# Allegro board reComputer Industrial J201_V1.2.brd (continued)
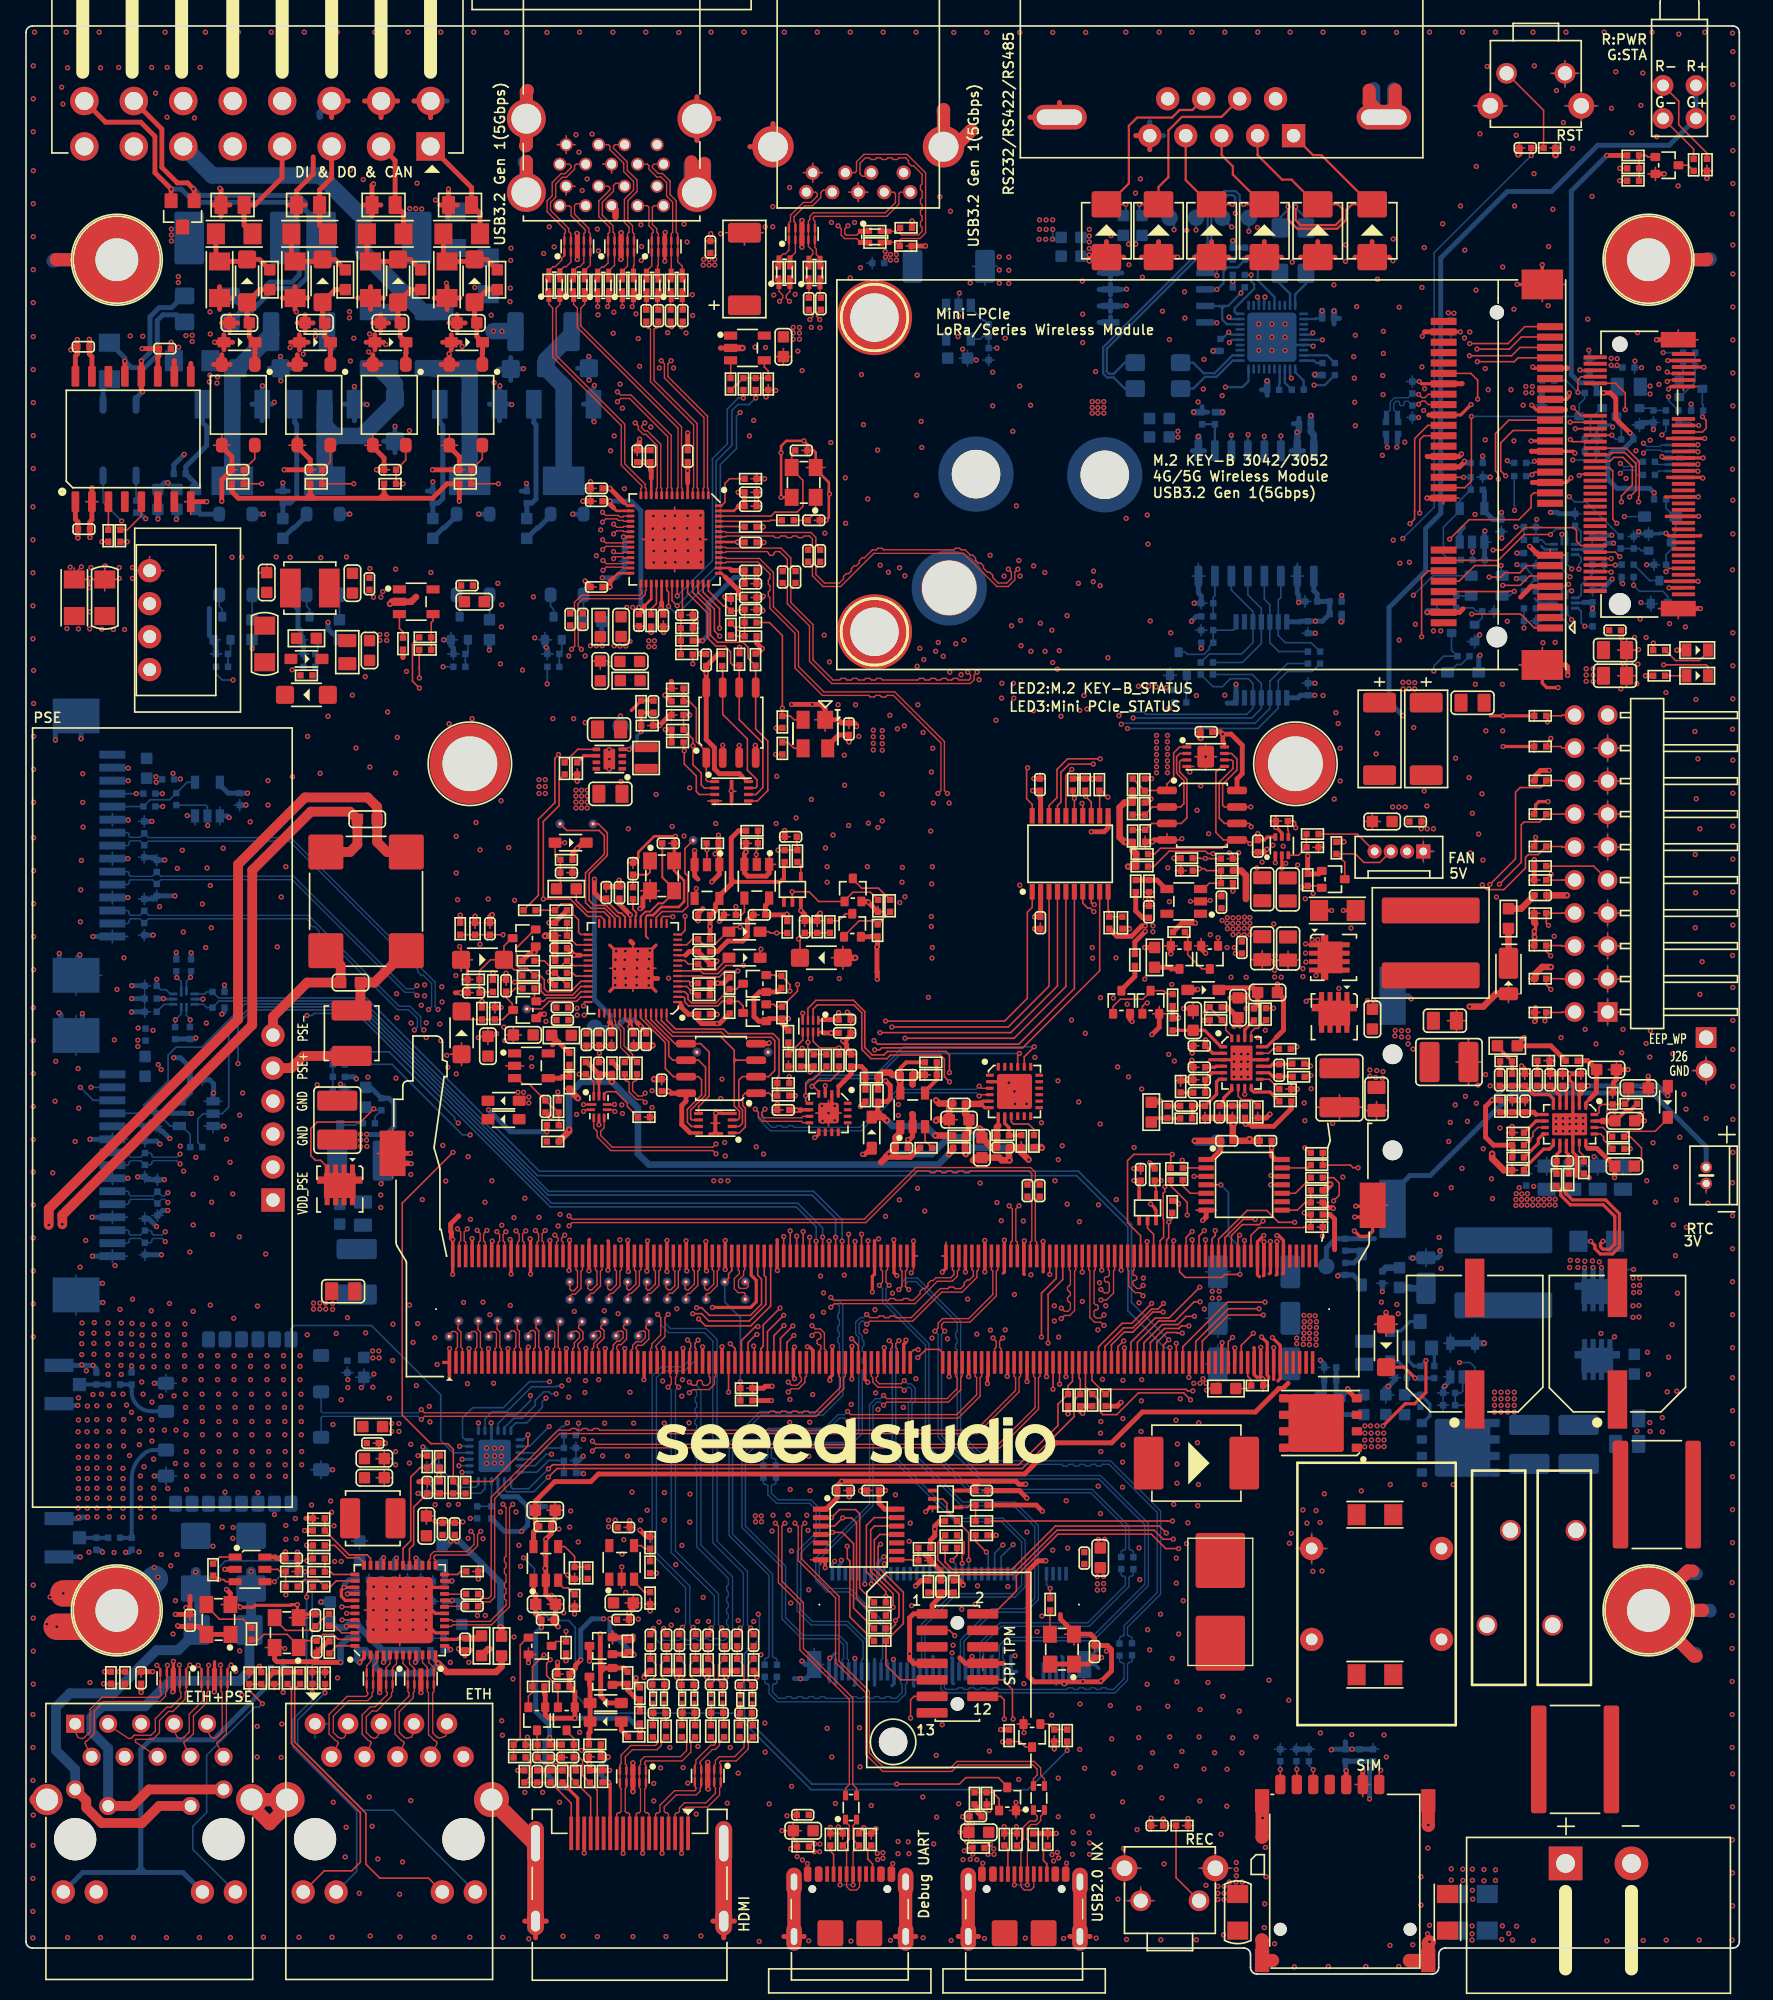
[diagram p0: board, top side]
## Nets (continued)
I2C2_M2M_SCL: J21.40 R220.2
I2C2_M2M_SDA: J21.42 R216.2
I2C2_SCL: J9.232 Q13.2(S) R99.2 R134.2 R220.1 U15.6 U16.6
I2C2_SDA: J9.234 Q15.2(S) R95.2 R143.2 R216.1 U15.5 U16.5
I2S1_LRCK: J6.28 J9.224
I2S1_SCLK: J6.20 J9.226
I2S1_SDIN: J6.24 J9.222
I2S1_SDOUT: J6.22 J9.220
IFP_TERM_EN: Q19.3 R244.1 R245.1 R246.1 R247.1 R248.1 R249.1 R250.1 R251.1
ILIM_DC1: R194.1 U31.10
ILIM_DC2: R176.1 U25.10
LAA_N79_TX_EN_1V8: J6.60 J9.97
LAN_XI: C181.1 R241.2 U38.47 X3.1
LAN_XO: R239.1 U38.46
LAN_XO_R: C169.1 R239.2 X3.3
LDO_5V_IN: C113.1 D39.2(C) D41.2(C) R189.1 U26.1
LED1_CTRL: Q1.1 R1.2 R4.2 R5.2
LED_WWAN: J5.42 LED3.2(C)
M2B_DPR_1V8: J6.25 Q24.3 R295.2
M2B_DPR_3V3: R288.1 U51.15
M2B_PCIE_HSD4_N: D66.2 J5.36 J6.9 L29.4 R302.1
M2B_PCIE_HSD4_P: D65.2 J5.38 J6.7 L29.1 R303.1
M2B_PCIE_RESET: R315.2 R316.1 R327.2 U51.11 U53.2
M2B_POWER_OFF#: J6.6 J9.212 R291.1
M2B_SSRX4_N: C43.1 J6.29 U43.5 U43.6(NC4)
M2B_SSRX4_P: C44.1 J6.31 U43.4 U43.7
M2B_SSTX4_N: C216.1 J6.35 U43.2 U43.9
M2B_SSTX4_P: C217.1 J6.37 U43.1 U43.10
M2B_STATUS_LED: J6.10 R59.2
M2B_SUSCLK_32KHZ: J6.68 R195.2 U33.4(Y)
M2B_USIM_CLK: J6.32 U46.2
M2B_USIM_DATA: J6.34 U46.6
M2B_USIM_PWR: J6.36 U45.2
M2B_USIM_RST: J6.30 U45.6
M2B_W_DISABLE1#: J9.128 R307.1
M2B_W_DISABLE2#: J9.126 R296.1
M2B_WOWWAN#_1V8: R298.2 U58.3
M2B_WOWWAN#_3V3: U51.14 U58.12
M2M_ALERT*: J21.44 R213.2 U34.2
M2M_ALERT_3V3: R212.2 R214.1 U34.4(Y)
M2M_SUSCLK_32KHZ: J21.68(SUSCLK(32KHZ) (O)(0/3.3V)) R237.2
M.2_WLAN_TX_EN_1V8: J6.38 J9.112
MCT: C184.1 J13.4 J13.5
MCU_ADC0: Q9.2(S) R132.1 U23.38
MCU_ADC1: C88.1 R121.2 R122.1 U23.39
MCU_ADC2: Q14.2(S) R139.1 U23.40
MCU_ADC3: TP4.1(TP) U23.41
MCU_I2C0_SCL: Q13.3 R136.2 U23.3
MCU_I2C0_SDA: Q15.3 R142.2 U23.2
MCU_I2C1_SCL: R135.2 TP6.1(TP) U23.5
MCU_I2C1_SDA: R140.2 TP5.1(TP) U23.4
MCU_RST: C76.1 D26.1 D28.2 FB3.1 J8.8 R100.2
MCU_UART1_RX: D23.2 J8.16 U23.7
MCU_UART1_TX: D24.2 J8.14 U23.6
MCU_USB_BOOT: D30.2 J8.6 R169.2
MCU_USB_DN: R161.1 U29.7
MCU_USB_DP: R162.1 U29.1
MOD_SLEEP*: J9.178 R5.1 R67.1 R218.1 R409.1
MODE_0: R391.2 SW3.1 TP50.1(TP) U42.29
MODE_1: R392.2 SW3.2 TP51.1(TP) U42.36
MODE_2: R393.2 SW3.3 TP52.1(TP) U42.28
MODULE_ID: J9.217 R131.2 R137.2
MR: R76.2 U13.3
OE: Q52.3 R344.1 R345.2 U47.8
PCIE0_CLK_N: J9.160 J21.53
PCIE0_CLK_P: J9.162 J21.55
PCIE0_CLKREQ: J9.180 J21.52
PCIE0_RST: J9.181 J21.50 R217.2
PCIE0_RX0_N: J9.131 J21.41
PCIE0_RX0_P: J9.133 J21.43
PCIE0_RX1_N: J9.137 J21.29
PCIE0_RX1_P: J9.139 J21.31
PCIE0_RX2_N: J9.149 J21.17
PCIE0_RX2_P: J9.151 J21.19
PCIE0_RX3_N: J9.155 J21.5
PCIE0_RX3_P: J9.157 J21.7
PCIE0_TX0_M2_N: C264.1 J21.47
PCIE0_TX0_M2_P: C265.1 J21.49
PCIE0_TX0_N: C264.2 J9.134
PCIE0_TX0_P: C265.2 J9.136
PCIE0_TX1_M2_N: C276.1 J21.35
PCIE0_TX1_M2_P: C277.1 J21.37
PCIE0_TX1_N: C276.2 J9.140
PCIE0_TX1_P: C277.2 J9.142
PCIE0_TX2_M2_N: C283.1 J21.23
PCIE0_TX2_M2_P: C284.1 J21.25
PCIE0_TX2_N: C283.2 J9.148
PCIE0_TX2_P: C284.2 J9.150
PCIE0_TX3_M2_N: C259.1 J21.11
PCIE0_TX3_M2_P: C258.1 J21.13
PCIE0_TX3_N: C259.2 J9.154
PCIE0_TX3_P: C258.2 J9.156
PCIE1_CLK_N: J9.173 U38.26
PCIE1_CLK_P: J9.175 U38.25
PCIE1_CLKREQ: J9.182 U38.42
PCIE1_RST: J9.183 U38.44
PCIE1_RX0_N: C165.1 J9.167
PCIE1_RX0_P: C166.1 J9.169
PCIE1_TX0_N: C143.1 J9.172
PCIE1_TX0_P: C144.1 J9.174
PCIE_1PPS_3V3: J5.19 J9.225
PCIE_ETH_RESET: R211.1 U51.13
PCIE_GPIO1_3V3: J5.31 J9.223
PCIE_GPIO2_3V3: J5.33 J9.219
PCIE_RX_N: C143.2 U38.17
PCIE_RX_P: C144.2 U38.16
PCIE_SX1261_BUSY_1V8: J9.124 Q48.3 R287.2
PCIE_SX1261_RST_3V3: D69.2(C) U51.6
PCIE_TX_N: C165.2 U38.21
PCIE_TX_P: C166.2 U38.19
PCIE_USIM_CLK: J5.12 U46.1
PCIE_USIM_DATA: D69.1 J5.10 U46.7
PCIE_USIM_PWR: D70.1 J5.8 U45.1
PCIE_USIM_RST: J5.14 U45.7
PCIE_WAKE: J9.179 J21.54 U38.43
PCIE_WAKE_3V3: J5.1 U51.5
POE_PSE+: C304.1 D102.2 D104.2 J13.11 J13.13 L33.2
POE_PSE-: C304.2 D102.1 D103.2 J13.12 J13.14 L33.1
POWER_EN: J9.237 R113.1 U19.4(Y)
PSE+: J10.5 L32.2
PSE-: C303.2 J10.6 L33.4
PSE_EN: Q49.1 R408.1 R409.2 R412.2 R413.2
PSE_PWR_EN: R413.1 U51.17
PWR_BTN*: D25.2 D31.2(C) D42.2 J8.12 J9.240 R201.2
PWR_LED_CTRL: J9.127 R4.1
QSPI_CSN: R169.1 R175.2 U23.56 U27.1 U28.1
QSPI_SCLK: U23.52 U27.6 U28.6
QSPI_SD0: U23.53 U27.5 U28.5
QSPI_SD1: U23.55 U27.2 U28.2
QSPI_SD2: U23.54 U27.3(W\P\_IO2) U28.3(W\P\_IO2)
QSPI_SD3: U23.51 U27.7 U28.7
RF_S0: C261.1 C262.2 U50.2
RF_S1: C245.1 C247.1 U50.3
RP2040_XIN: C73.1 U23.20 X2.3
RP2040_XOUT: R107.2 U23.21
RS232_CTS: D4.2 J1.8 R279.2
RS232_CTSN: R279.1 U42.20
RS232_RTS: D5.2 J1.7 R278.2
RS232_RTSN: R278.1 U42.5
RS232_RXD/422_TX(A): L26.1 U42.40
RS232_RXD/422_TX+: D8.2 J1.2 L26.4
RS232_TXD/422_RX(A): L28.2 U42.21
RS232_TXD/422_RX+: D7.2 J1.3 L28.3
RUN: FB3.2 U23.26
SDIO_D1: J9.221 R214.2
SENSE+_DC1: C141.1 R198.2 U31.13
SENSE+_DC2: C118.1 R158.2 U25.13
SENSE-_DC1: C141.2 R199.2 U31.12
SENSE-_DC2: C118.2 R166.2 U25.12
SHUTDOWN_REQ*: D29.2(C) J9.233 R120.2 U49.1(RST)
SIM_CLK: C227.1 D93.2 J15.C1 R336.2
SIM_DETECT: J15.C7 Q38.1 R331.2
SIM_DETECT_1V8: J6.66 R329.2
SIM_DIO: C223.1 D92.2 J15.C2 R332.2 R333.2
SIM_MUX_SEL: D37.2 J8.2 R339.1 R389.2 U45.10 U46.10
SIM_RST: C219.1 D91.2 J15.C3 R324.2
SLEW: R394.2 SW3.4 TP53.1(TP) U42.30
SPI0_CS0: J9.95 R403.1 R436.1
SPI0_CS0_LS: J11.9 R403.2 R439.2
SPI0_IRQ_GPIO07: J9.206 R200.1 R431.1
SPI0_IRQ_LS: J11.2 R200.2 R202.2
SPI0_MISO: J9.93 R401.1 U57.3
SPI0_MISO_LS: J11.11 R401.2 U57.12
SPI0_MOSI: J9.89 R402.1 U57.4
SPI0_MOSI_LS: J11.12 R402.2 U57.11
SPI0_RST_3V3: R434.1 U51.7
SPI0_RST_LS: J11.3 Q32.3 R438.2
SPI0_SCK: J9.91 R400.1 U57.2
SPI0_SCK_LS: J11.10 R400.2 U57.13
SPI1_CS0: J9.110 U18.5
SPI1_CS0_3V3: J5.51 U18.16
SPI1_MISO: J9.108 U18.3
SPI1_MISO_3V3: J5.47 U18.18
SPI1_MOSI: J9.104 U18.4
SPI1_MOSI_3V3: J5.49 U18.17
SPI1_SCK: J9.106 U18.1
SPI1_SCK_3V3: J5.45 U18.20
SS_DC1: C127.1 U31.4
SS_DC2: C116.1 U25.4
SUSCLK_32KHZ: J9.210 U33.2
SW_1V2: L11.1 U14.2(SW)
SW_DC1: C142.2 D88.2(C) L30.1 Q43.5 Q45.1 Q45.2 Q45.3 R368.1 U31.16
SW_DC2: C95.2 D34.2(C) L12.1 Q12.5 Q16.1 Q16.2 Q16.3 R114.1 U25.16
SW_OUT: C149.1 C150.1 C152.1 FB6.1 L13.2 U38.34
SW_OUT_L: L13.1 U38.32
SWCLK: TP2.1(TP) U23.24
SWDIO: TP1.1(TP) U23.25
SYNCO_DC1: R197.1 U31.11
SYNCO_DC2: R171.1 U25.11
SYS_RESET: D45.2 FB5.1 J9.239
SYS_RST*: C1.1 D1.2 FB5.2 R92.1 SW1.1 U20.2
TG1: R193.1 U31.17
TG2: R146.1 U25.17
TG_DC1: Q45.4(G) R193.2
TG_DC2: Q16.4(G) R146.2
TXRXA_N: J14.3 U32.4 U32.7 U38.3
TXRXA_P: J14.2 U32.5 U32.6(NC4) U38.2
TXRXB_N: J14.5 U32.1 U32.10 U38.6
TXRXB_P: J14.4 U32.2 U32.9 U38.5
TXRXC_N: J14.7 U38.8 U59.4 U59.7
TXRXC_P: J14.6 U38.7 U59.5 U59.6(NC4)
TXRXD_N: J14.9 U38.11 U59.1 U59.10
TXRXD_P: J14.8 U38.10 U59.2 U59.9
TYPE C_UART_5V: C137.1 C198.1 C201.1 C291.1 C302.1 D41.1 D59.2 J18.B4 J18.B9 R284.2 R416.1 R423.1 U30.3 U30.9 U52.1 U54.7
TYPE C_USB_DN: L25.3 U29.5
TYPE C_USB_DP: L25.2 U29.3
UART0_CTS: J9.105 U18.9
UART0_CTS_3V3: R81.2 R308.1 U18.12
UART0_RTS: J9.103 U18.6
UART0_RTS_3V3: R79.2 R310.1 U18.15
UART0_RXD: J6.64 J9.101 U18.8
UART0_RXD_3V3: J5.13 R80.2 U18.13
UART0_TXD: J6.62 J9.99 U18.7
UART0_TXD_3V3: J5.11 U18.14
UART1_CTS: J9.209 R353.1 U47.5
UART1_CTS_5V_ISO: U42.25 U44.11
UART1_CTS_LS: R353.2 U44.6 U47.10
UART1_EN_3V3: Q52.1 R445.2 R446.2
UART1_RTS: J9.207 R351.1 U47.3
UART1_RTS_5V_ISO: U42.34 U44.13
UART1_RTS_LS: R351.2 U44.4 U47.12
UART1_RXD: J9.205 R352.1 U47.4
UART1_RXD_5V_ISO: R390.2 U42.26 U44.12
UART1_RXD_LS: R352.2 U44.5 U47.11
UART1_TXD: J9.203 R350.1 U47.2
UART1_TXD_5V_ISO: U42.33 U44.14
UART1_TXD_LS: R350.2 U44.3 U47.13
UART2_RXD: J9.238 U24.2
UART2_RXD_3V3: D20.2 J8.20 R152.2 R156.2 U24.7
UART2_TXD: J9.236 U24.3
UART2_TXD_3V3: D22.2 J8.18 R153.2 R418.2 U24.6
UART_USB_DN: U29.6 U30.8 U54.4
UART_USB_DP: U29.2 U30.7 U54.3
USB0_AP_N: J9.109 L24.3
USB0_AP_P: J9.111 L24.2
USB0_VBUS_DET*: J9.87 Q23.3
USB1_A_N: J4.11 L6.3 R29.2 U3.2 U3.9
USB1_A_P: J4.12 L6.2 R36.2 U3.1 U3.10
USB1_AP_N: J9.115 U8.46
USB1_AP_P: J9.117 U8.45
USB1_B_N: D3.2 J3.2 L1.2 R10.2
USB1_B_P: D10.2 J3.3 L1.3 R15.2
USB2_A_N: J4.2 L7.3 R30.2 U3.5 U3.6(NC4)
USB2_A_P: J4.3 L7.2 R37.2 U3.4 U3.7
USB2_AP_N: J9.121 U50.12
USB2_AP_P: J9.123 U50.13
USB_DM: R161.2 U23.46
USB_DP: R162.2 U23.47
USB_HUB_RESET: R55.1 R286.1 U51.12
USB_MUX_SEL: D35.2 J8.4 R159.2 U29.10
USB_UART_RX: R153.1 U30.5 U54.20
USB_UART_TX: R152.1 U30.4 U54.21
USBSS1_RX_N: J9.39 TP38.1(TP)
USBSS1_RX_P: J9.41 TP33.1(TP)
USBSS1_TX_N: J9.45 TP39.1(TP)
USBSS1_TX_P: J9.47 TP34.1(TP)
USBSS2_RX_N: J9.51 TP37.1(TP)
USBSS2_RX_P: J9.53 TP32.1(TP)
USBSS2_TX_N: J9.57 TP40.1(TP)
USBSS2_TX_P: J9.59 TP35.1(TP)
USBSS_RX_A_CON1_N: J4.14 L5.2 R31.2 U2.4 U2.7
USBSS_RX_A_CON1_P: J4.15 L5.3 R28.2 U2.5 U2.6(NC4)
USBSS_RX_A_CON2_N: J4.5 L4.2 R32.2 U2.1 U2.10
USBSS_RX_A_CON2_P: J4.6 L4.3 R33.2 U2.2 U2.9
USBSS_RX_B_CON1_N: J3.5 L2.2 R18.2 U1.1 U1.10
USBSS_RX_B_CON1_P: J3.6 L2.3 R16.2 U1.2 U1.9
USBSS_RX_HUB_N: C33.2 U8.51
USBSS_RX_HUB_P: C32.2 U8.50
USBSS_RX_N: C36.1 J9.161
USBSS_RX_P: C35.1 J9.163
USBSS_TX_A_CON1_N: J4.17 L8.2 R38.2 U4.1 U4.10
USBSS_TX_A_CON1_P: J4.18 L8.3 R39.2 U4.2 U4.9
USBSS_TX_A_CON2_N: J4.8 L9.2 R34.2 U4.4 U4.7
USBSS_TX_A_CON2_P: J4.9 L9.3 R35.2 U4.5 U4.6(NC4)
USBSS_TX_B_CON1_N: J3.8 L3.2 R19.2 U1.4 U1.7
USBSS_TX_B_CON1_P: J3.9 L3.3 R17.2 U1.5 U1.6(NC4)
USBSS_TX_HUB_N: C36.2 U8.48
USBSS_TX_HUB_P: C35.2 U8.47
USBSS_TX_N: C33.1 J9.166
USBSS_TX_P: C32.1 J9.168(USBSS_TX_P)
USIM_CLK: R336.1 U46.3
USIM_DATA: R333.1 U46.5
USIM_PWR: R328.1 U45.3
USIM_RST: R324.1 U45.5
VAUX_DET: R215.1 R219.1 U38.35
VOUT_5V: C59.2 D19.1 R64.1 U10.4
VP_1V2: C180.1 FB7.1 U38.14
VPH_2V5: C272.1 FB9.1 U38.23
VPTX_1V2: C274.1 FB11.1 U38.20
W_DISABLE1#_3V3: J5.20(W_DISABLE#) J6.8(W_DISABLE1#) Q26.3 R293.2 R294.2
W_DISABLE2#: J6.26 Q25.3 R306.2
WIFI_EN: Q26.1 R305.1 R307.2
WL_DIS#: U50.16 U51.1
XTALO: C29.1 R48.1 X1.1
YELLOW_LED: D99.2 J13.18(YEL-) R253.2
N25946651: LED1.4 R3.1
N25946676: Q1.3 R3.2
N26038616: D87.1 R367.2 R444.1
N26055734: C75.1 R107.1 X2.1
N26086243: R117.1 R125.1 U23.31
N26086803: R128.1 R129.1 U23.35
N26280660: TP3.1(TP) U23.17
N26376527: R90.1 R94.1 U17.3
N26991327: OSC2.3 R237.1
N27061287: C199.1 C202.1 D60.2 J19.B4 J19.B9 R273.1
N27061303: Q23.1 R272.1 R273.2
N27061452: D58.2 J19.A7 J19.B7 L24.4
N27061465: D57.2 J19.A6 J19.B6 L24.1
N27077519: G2.1 J17.2 L14.2 R226.1 R228.2
N27077790: C248.1 C250.1 C251.1 Q17.1 Q17.2 Q17.3(S3) Q44.2(E) Q46.1 Q46.2 Q46.3(S3) R371.1 R373.1 R375.1 R376.1
N27077930: D44.2(C) R370.1 R371.2
N27077935: Q44.1 R370.2
N27077990: D89.1 Q44.3
N27078074: C250.2 D89.2(C) Q46.4 R372.1 R376.2
N27079470: C241.1 R375.2
N27107328: Q7.3 R108.2
N27107353: Q8.1 R108.1 R123.1
N27107904: Q8.3 R119.1
N27110960: R96.2 U21.4(Y)
N27125534: R78.1 U14.6
N28330871: R131.1 U23.37
N28376666: R224.1 R225.2 U36.4
N28376672: R236.1 U36.3
N28376840: Q20.1 R254.1 R398.1 R399.2
N28376909: R218.2 R222.1 U35.4
N28376915: R233.1 U35.3
N28376973: D48.1 R258.2
N28376991: Q18.1 R257.1 R259.1
N28388800: C142.1 D40.2(C) R191.2
N28388966: L30.2 R198.1 R366.1
N28389221: C239.1 R368.2
N28389223: R157.2 R165.1 R173.1
N28389375: C124.1 R165.2
N28389559: C125.2 R163.1
N28391241: C95.1 D36.2(C) R147.2
N28391410: L12.2 R112.1 R158.1
N28391647: C81.1 R114.2
N28391649: R183.2 R184.1 R186.1
N28391801: C131.1 R184.2
N28392021: C123.2 R170.1
N28495699: J9.90 TP17.1(TP)
N28495701: J9.92 TP7.1(TP)
N28781292: R115.2 R116.2 U18.10
N28788303: LED3.1 R65.1
N28800528: J14.11 R270.1
N28800533: J14.13 R271.1
N28827240: OSC1.3 R241.1
N28848879: R243.1 U38.48
N28849052: R230.1 U38.24
N28849706: C153.1 R209.2 R210.2 R211.2 U38.29
N28850075: R207.1 R208.2 U38.30
N28892285: Q27.1 R318.2
N28892304: Q27.3(EMITTER) R290.2
N28901986: D21.2(C) R71.2
N28902831: D14.2(C) R14.2 R26.1 R27.1
N28914220: D61.2(C) F2.1 Q28.2 Q28.4
N28914268: Q34.1 R340.2
N28914298: Q34.2 Q39.3
N28914302: Q34.3(EMITTER) R320.1
N28914304: Q28.1 R311.1 R320.2
N28914685: Q39.1 R346.1 R354.2
N28915550: D13.2(C) R13.2 R24.1 R25.1
N28916246: D12.2(C) R12.2 R22.1 R23.1
N28916471: D11.2(C) R11.2 R20.1 R21.1
N28917092: D64.2(C) F3.1 Q29.2 Q29.4
N28917133: Q35.1 R341.2
N28917163: Q35.2 Q40.3
N28917167: Q35.3(EMITTER) R321.1
N28917169: Q29.1 R312.1 R321.2
N28917235: Q40.1 R347.1 R355.2
N28918031: D62.2(C) F4.1 Q30.2 Q30.4
N28918072: Q36.1 R342.2
N28918102: Q36.2 Q41.3
N28918106: Q36.3(EMITTER) R322.1
N28918108: Q30.1 R313.1 R322.2
N28918174: Q41.1 R348.1 R356.2
N28918232: D63.2(C) F5.1 Q31.2 Q31.4
N28918273: Q37.1 R343.2
N28918303: Q37.2 Q42.3
N28918307: Q37.3(EMITTER) R323.1
N28918309: Q31.1 R314.1 R323.2
N28918375: Q42.1 R349.1 R357.2
N28955699: LED2.2(C) R59.1
N29089173: C261.2 C263.2 J25.1
N29089582: C246.1 C247.2 J24.1
N29118590: C222.1 D67.1 J6.67 Q33.3 R317.2
N29142445: Q33.1 R326.1 R327.1
N29154261: D56.2 J18.A7 J18.B7 L25.4
N29154278: D55.2 J18.A6 J18.B6 L25.1
N29165203: LED1.2(RED-) R2.1
N29252447: R160.1 U29.8
N29273404: FB12.2 J20.15
N29273747: FB13.2 J23.15
N29290663: R154.1 R155.1 U24.5
N29342090: R319.2 U45.8
N29343428: R330.2 U46.8
N29431119: D70.2(C) R441.1
N29450122: J5.24 R309.1
N29505719: C209.1 U42.9
N29505724: C212.1 U42.11
N29505727: C209.2 U42.12
N29505736: C212.2 U42.13
N29505798: C210.2 U42.10
N29505822: C213.2 U42.14
N29691331: R335.2 R338.2 U44.7
N29691473: R299.1 R300.1 U44.10
N29726826: D46.2 F1.2 Q17.5 Q17.6 Q17.7 Q17.8 Q17.9
N29726895: C248.2 Q17.4 R369.1 R373.2
N29727171: F1.1 L14.4 R238.2
N29728351: G1.2 R227.2 R228.1
N29996219: R229.2 U37.1
N30008296: J5.25 R308.2
N30008299: J5.23 R310.2
N30018883: R63.2 R67.2 U9.4
N30018889: R66.1 U9.3
N30075251: Q38.3 R329.1
N30075786: J6.23 R298.1
N30078619: Q24.1 R288.2 R292.1
N30121418: Q48.1 R388.2 R441.2
N30132742: C305.1 R389.1 U51.16
N30499680: R416.2 U52.3
N30627968: R421.2 U54.9
N30628418: R423.2 R424.1 U54.8
N30655690: R427.2 R428.2 U57.8
N30656126: R429.2 R430.2 U58.8
N30659066: R202.1 U58.13
N30659137: R431.2 U58.2
N30783976: C139.1 L31.1 Q47.5
N30784065: C288.2 Q47.4 R410.2 R411.1
N30784124: Q49.3 R411.2
N31050451: C303.1 L32.1 L33.3
N31120979: D101.2(C) R287.1
N31122927: Q32.1 R434.2 R435.1
N31123236: R439.1 U58.10
N31123275: R436.2 U58.5
N31392468: R446.1 U51.8

Pads without a net: J1 6 9; J5 3 5 6 7 16 17 28 44 46 48; J6 1 21 40 41 42 43 44 46 47 48 49 50 52 53 54 55 56 58 59 61 63 65 69 75; J9 227 229; J11 4 5 6 13; J14 10; J15 C4; J16 14; J18 A8 B8; J19 A8 B8; J21 6 8 10 20 22 24 26 28 30 32 34 36 38 46 48 56 58 67 69; U7 4 6 7 14; U21 1; U23 8 11 13 15 18 28 30 32 34 36; U30 10 11 12 13 14 15 16; U33 1; U34 1; U42 1 3 4 8 15 16 17 18 19 23 24 27 31 32 35 37 38; U47 6 9; U50 5 6 7 8 9 15 18 20 21 22; U54 1 10 11 12 13 14 15 16 17 18 19 22 23 24; U57 5 6 9 10; U58 6 9

## Via types
v1: diameter 0.406, hole 0.203, TOP to BOTTOM, 3337 vias

## Routing (per net, layer and track width the routed paths; a pad name or vN(x,y) marks a point on that pad's centre or on a via; arc(x,y) is an arc through that point)
1V1_MCU: length 24.7
  TOP w0.152: U23.45 44.96,73.28 ; U23.23 46.16,81.4 45.85,81.71 45.66,81.71 44.71,82.65 C79.1 ; U23.50 46.96,73.39 47.12,73.22
  TOP w0.381: C109.1 47.78,72.56 v1(47.35,72.99) 47.12,73.22 ; 44.96,73.28 45.04,73.2 45.04,72.51 C107.1 45.11,72.84 v1(45.01,72.94) ; C79.1 44.25,82.81 43.79,83.27 v1(43.79,84.3)
  BOTTOM w0.381: v1(47.35,72.99) 46.87,73.48 46.08,73.48 45.55,72.94 v1(45.01,72.94) ; TP49.1 44.94,72.87 v1(45.01,72.94) ; v1(45.01,72.94) 45.01,73.83 43.79,75.05 v1(43.79,84.3)
3V3_LDO: length 2.6
  TOP w0.381: FB4.1 40.75,72.28 40.75,72.04 41.06,71.73 ; R151.1 41.06,71.73 ; 41.06,71.73 40.75,71.73 40.57,71.55
3V3_LDO_EN: length 5.5
  TOP w0.127: R189.2 41.05,65.89 41.03,65.9 R177.2 40.66,66.71 40.57,66.71 C132.1 38.76,68.53 38.29,68.53 37.84,68.98 U26.3
3V3_LS_VCC: length 24.2
  TOP w0.203: U24.8 61.4,72.53 61.46,72.47
  TOP w0.381: v1(66.22,68.78) 66.59,68.41 66.59,67.43 66.33,67.17 R419.2 65.63,66.46 ; R156.1 R418.1 60.69,69.75 v1(60.41,69.46) ; C105.1 62.05,72.47 v1(62.04,72.46) 61.47,72.46 61.46,72.47 ; 65.63,66.46 65.63,66.39 65.94,66.09 ; 65.63,66.46 D94.2
  TOP w0.508: D94.2 66.04,65.98 66.3,65.73 v1(66.32,65.73) ; R420.2 v1(70.06,64.56)
  LAY3 w0.381: v1(62.04,72.46) 62.04,71.62 60.41,69.98 v1(60.41,69.46)
  LAY4 w0.381: v1(60.41,69.46) 65.54,69.46 v1(66.22,68.78)
  BOTTOM w0.508: v1(66.32,65.73) 66.76,65.29 69.33,65.29 v1(70.06,64.56)
3V3_MCU: length 121.9
  TOP w0.152: U23.48 46.16,73.5 46.31,73.35 46.56,73.35 U23.49 ; 50.81,78.45 U23.10 ; U23.22 v1(46.56,81.55) ; 50.47,74.63 50.25,74.85 U23.1 ; 42.72,78.45 U23.33
  TOP w0.254: 51.14,64.79 51.17,64.76 U27.8
  TOP w0.305: 54.59,84.09 54.33,84.35 ; 54.59,84.09 58.09,84.09 58.4,84.4 U21.5 58.4,85.56 R97.1 ; 54.59,84.09 54.5,84.09 54.33,83.93
  TOP w0.381: Q14.1 39.61,73.91 v1(39.93,73.91) ; R142.1 53.42,73.19 v1(53.24,73.19) 52.06,73.19 51.78,73.47 C100.1 51.03,73.91 50.47,74.47 50.47,74.63 ; C80.1 45.73,82.39 v1(46.56,81.55) ; R136.1 53.74,76.3 v1(53.29,76.3) R135.1 52.69,76.3 R140.1 ; C121.1 v1(49.48,67.98) 49.54,67.98 49.7,67.83 U28.8 50.85,67.21 50.52,66.88 50.52,65.41 51.14,64.79 ; Q9.1 39.27,78.76 v1(39.17,78.66) 38.88,78.66 R128.2 ; v1(53.22,78) 52.99,77.77 R130.1 52.7,77.81 C93.1 51.1,78.73 50.81,78.45 ; R100.1 42.1,86.31 v1(42.47,86.69) 42.9,87.12 D26.2 ; 42.72,78.45 v1(42.25,78.45) 41.7,78.99 C90.1 ; R126.1 v1(52.7,80.67) C84.1 52.81,81.56 53.12,81.86 53.12,82.35 53.42,82.66 U20.5 53.42,83.02 54.33,83.93 54.33,87.46 54.9,88.03 R87.1 ; 46.56,73.35 46.56,72.96 v1(46.54,72.94) 46.81,72.67 C111.1 ; v1(40.29,80.95) R117.2 40.76,80.99 R111.1 ; R137.1 40.67,76.14 v1(40.34,76.47) ; R175.1 v1(59.26,67.64)
  LAY3 w0.381: v1(53.29,76.3) 53.29,75.78 53.92,75.16 53.92,73.57 53.53,73.19 v1(53.24,73.19) ; v1(53.22,78) 52.7,78.51 v1(52.7,80.67)
  LAY4 w0.508: J8.19 121.78,96.94 120.43,98.29 111.87,98.29 103.03,89.45 95.66,89.45 94.62,90.5 89.23,90.5 88.27,89.53 59.85,89.53 v1(59.34,89.02)
  vias: v1(42.45,74.37) v1(42.47,73.83) v1(42.96,74.54) v1(43.01,73.83) v1(50.7,87.62)
3V3_MCU_FB: length 2.6
  TOP w0.381: U26.4 41.19,68.98 41.29,69.09 R168.1 R151.2
3V3_UART: length 30.7
  TOP w0.305: C290.1 67.38,69.76 67.81,70.2 R414.1
  TOP w0.381: R417.1 45.17,70.23 v1(45.57,69.82) ; R419.1 65.63,68.98 R167.1
  TOP w0.508: U52.5 67.36,68.71 v1(67.31,68.75) 67.31,68.88 67.38,68.94 C290.1 66.75,69.23 66.57,69.41 65.99,69.41 R167.1
  LAY4 w0.381: v1(67.31,68.75) 66.82,68.26 66.01,68.26 65.33,68.93 59.95,68.93 59.26,68.24 58.04,68.24 56.47,69.82 v1(45.57,69.82)
3V3_UART_FB: length 2.7
  TOP w0.305: U52.4 69.27,67.96 70.17,68.87 R415.1 R414.2
3V3_USB_SWITCH: length 44
  TOP w0.203: 44.14,68.72 U29.9
  TOP w0.381: 45.14,69.3 45.13,69.29 C117.1 ; C117.1 44.14,68.73 44.14,68.72 ; C117.1 43.21,70.21 R159.1
  TOP w0.508: v1(45.14,68.7) 45.14,69.3 R417.2 ; R284.1 41.84,64.89 v1(41.84,65.02) ; R422.2 71.43,63.47 v1(71.1,63.14)
  BOTTOM w0.508: v1(71.1,63.14) 70.29,62.33 47.98,62.33 47.15,63.16 47.15,66.7 v1(45.14,68.7) 42.78,68.7 41.84,67.76 v1(41.84,65.02)
5V_ISO: length 16.3
  TOP w0.381: C14.1 v1(3.96,125.86) ; C14.1 3.96,124.74 3.81,124.58 U7.16 ; C14.1 3.7,125.3 v1(3.46,125.06) ; U7.11 10.16,124.51 10.24,124.59 C292.1 v1(8.95,125.16)
  LAY3 w0.381: 2.19,112.42 2.21,112.39 7.14,112.39 7.15,112.4 8.07,112.4 9.02,111.45 9.58,111.45 v1(10.17,112.04)
  BOTTOM w0.381: R405.1 v1(10.17,112.04)
  vias: v1(11.74,130.7) v1(11.74,130.25) v1(27.26,103.14) v1(27.26,102.69) v1(27.79,103.14) v1(27.79,102.69) v1(82.15,121.08) v1(82.15,120.62) v1(82.15,120.19) v1(82.58,121.08) v1(82.58,120.62) v1(82.58,120.19) v1(83.04,121.08) v1(83.04,120.62) v1(83.04,120.19)
12V_DI_1_R: length 7.2
  TOP w0.381: Q5.1 35.15,124.82 35.17,124.85 D18.2 34.74,126.09 C13.1 34.56,127.31 D14.1 35.53,129.7 R27.2
12V_DI_2_R: length 7.2
  TOP w0.381: R25.2 29.64,129.7 D13.1 28.67,127.31 C12.1 28.84,126.09 D17.2 29.28,124.85 29.26,124.82 Q4.1
12V_DI_3_R: length 7.2
  TOP w0.381: Q3.1 23.44,124.82 23.47,124.85 D16.2 23.03,126.09 C11.1 22.85,127.31 D12.1 23.83,129.7 R23.2
12V_DI_4_R: length 7.2
  TOP w0.381: R21.2 18.01,129.7 D11.1 17.04,127.31 C10.1 17.21,126.09 D15.2 17.65,124.85 17.63,124.82 Q2.1
AVDD12_1V2: length 11.9
  TOP w0.254: v1(30,24) 30.05,24.04 U38.9 ; U38.45 v1(24.69,26.77) ; U38.4 v1(27.55,24)
  BOTTOM w0.381: C280.1 27.87,24.37 27.55,24.05 v1(27.55,24) ; v1(30,24) 30.05,24.05 30.05,24.1 30.15,24.21 C279.1
  BOTTOM w0.508: C279.1 C280.1 27.47,24.93 25.5,26.9 C275.1 24.97,27.05 v1(24.69,26.77) 24.61,26.69 23.88,26.69 FB10.1
AVDDH_2V5: length 17.5
  TOP w0.254: U38.12 31.55,24.13 v1(31.75,23.92) ; v1(25.71,24) 26.05,24.34 U38.1
  TOP w0.508: v1(31.75,23.92) 32.42,23.26 36.23,23.26 36.64,23.67 FB8.1
  BOTTOM w0.381: C278.1 31.17,24.51 v1(31.75,23.92)
  BOTTOM w0.508: v1(31.75,23.92) 31.75,23.82 31.09,23.16 27.41,23.16 26.9,23.67 26.9,24.19 26.16,24.93 C281.1 25.53,24.18 v1(25.71,24)
GND: length 1779.1